# Altium PCB AL1000.PcbDoc (part 3 of 8)
Units mil, origin at the board's own origin, x right, y up, seen from the top; angles counter-clockwise.
Board outline 8277.75 x 4143.89 mil, 4 copper layers (Component Side, Ground Plane, Power Plane, Solder Side), stack 33.234 mil thick; 485 components, 360 nets, 1548 pads, 394 vias.
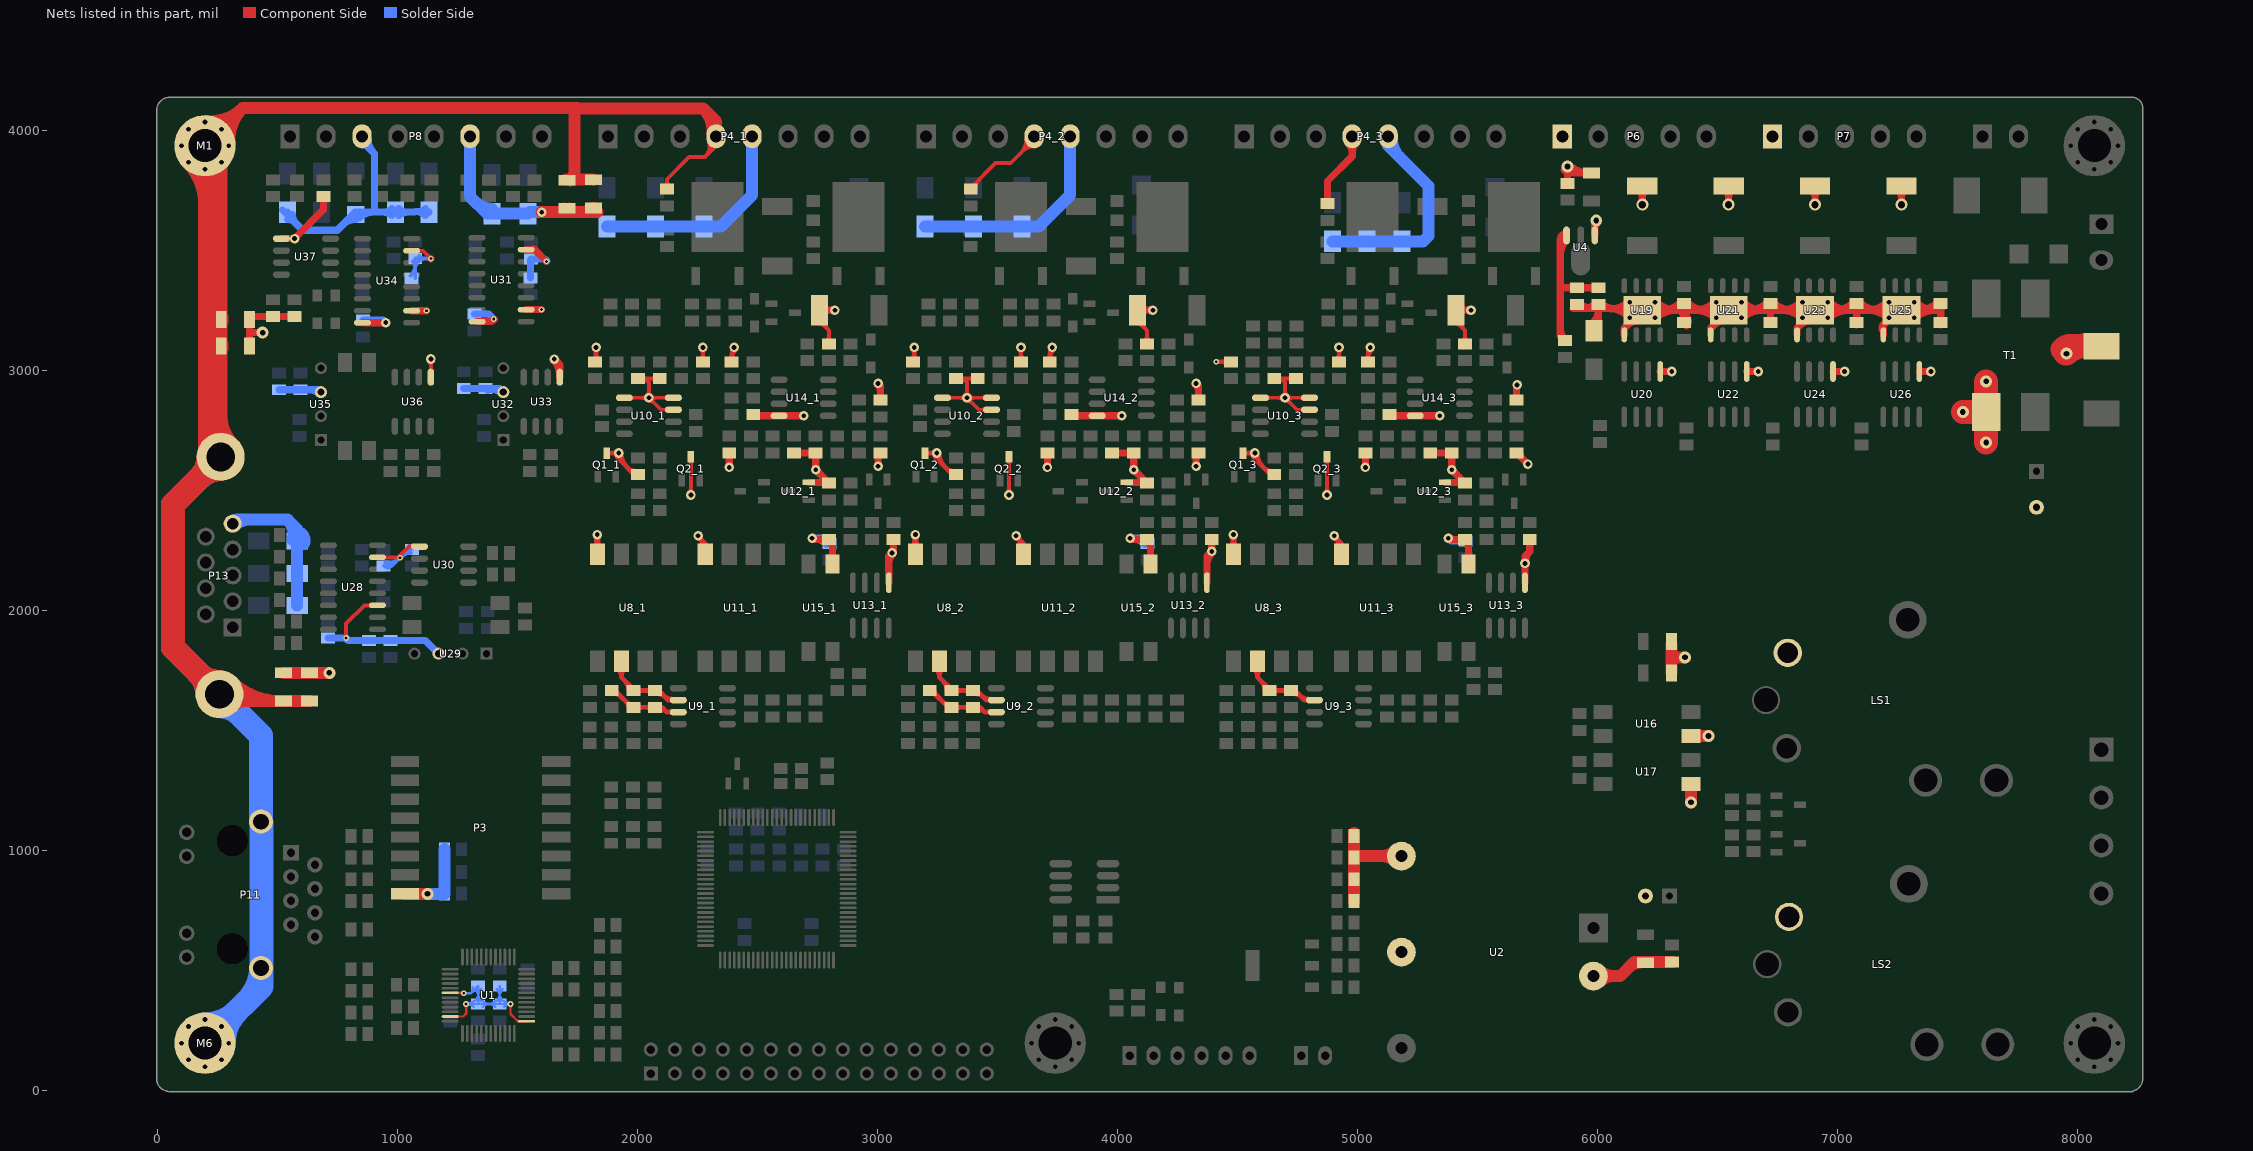
[diagram p5: the nets of this part, all layers, seen from the top]

## Via types
v1: diameter 24, hole 12, Component Side to Solder Side, tented both sides, 224 vias
v2: diameter 40, hole 20, Component Side to Solder Side, tented both sides, 140 vias
v3: diameter 50, hole 24, Component Side to Solder Side, tented both sides, 16 vias
v4: diameter 50, hole 28, Component Side to Solder Side, tented both sides, 10 vias
v5: diameter 50, hole 30, Component Side to Solder Side, tented both sides, 4 vias

## Nets (pads, with @x,y where several pads share a name; then routed paths per layer and width w, separated by ;. In a path a pad name is that pad's centre, name@x,y a point inside that pad or via, vN(x,y) a via of type N, cw(c..) or ccw(c..) an arc to the next point about the centre after c; other vN are vias at no path point) (continued)
GND24V: C10.2 C11.2 C15.1 C16.1 C21.1 C22.1 C23.1 C24.1 C36_1.1 C36_2.1 C36_3.1 C41_1.1 C41_2.1 C41_3.1 C45_1.1 C45_2.1 C45_3.1 C47_1.1 C47_2.1 C47_3.1 C49_1.1 C49_2.1 C49_3.1 C50_1.1 C50_2.1 C50_3.1 C51_1.1 C51_2.1 C51_3.1 C52_1.1 C52_2.1 C52_3.1 C53_1.1 C53_2.1 C53_3.1 C54_1.1 C54_2.1 C54_3.1 C55_1.1 C55_2.1 C55_3.1 C58.2 C59.1 C60.1 C61.1 C62.1 C67.1 C68.1 C69.1 C70.1 C81.2 C91.2 C98.2 D3.2 D8_1.1 D8_2.1 D8_3.1 D9_1.1 D9_2.1 D9_3.1 D10_1.1 D10_2.1 D10_3.1 D31.1 LS1.5 LS2.5 M1.1 M1.2 M1.3 M1.4 M1.5 M1.6 M1.7 M1.8 M1.9 M6.1 M6.2 M6.3 M6.4 M6.5 M6.6 M6.7 M6.8 M6.9 P4_1.4 P4_1.5 P4_2.4 P4_2.5 P4_3.4 P4_3.5 P6.1 P7.1 P11.13 P11.14 P13.10 P13.11 Q1_1.3 Q1_2.3 Q1_3.3 Q2_1.3 Q2_2.3 Q2_3.3 R24.2 R38_1.1 R38_2.1 R38_3.1 R43_1.1 R43_2.1 R43_3.1 R53_1.2 R53_2.2 R53_3.2 R54_1.2 R54_2.2 R54_3.2 R60_1.2 R60_2.2 R60_3.2 R61_1.2 R61_2.2 R61_3.2 R62_1.1 R62_2.1 R62_3.1 R66_1.2 R66_2.2 R66_3.2 R82.2 R83.2 R84.2 R85.2 R93.2 R98.2 R103.2 T1.1 U2.2 U4.1 U8_1.4 U8_2.4 U8_3.4 U10_1.3 U10_1.4 U10_1.5 U10_2.3 U10_2.4 U10_2.5 U10_3.3 U10_3.4 U10_3.5 U11_1.4 U11_2.4 U11_3.4 U12_1.2 U12_2.2 U12_3.2 U13_1.5 U13_2.5 U13_3.5 U14_1.4 U14_2.4 U14_3.4 U15_1.3 U15_2.3 U15_3.3 U16.3 U17.3 U19.0 U19.1 U20.5 U21.0 U21.1 U22.5 U23.0 U23.1 U24.5 U25.0 U25.1 U26.5 | length 44231.6
  Component Side w16: U8_1.4@1815.16,2264.25 ccw(c1775.05,2304.36) 1831.77,2304.36 ccw(c1888.5,2304.36) U8_1.4@1848.39,2264.25 ; v2@1821.49,2310.19 cw(c1789.4,2290.9) 1825.57,2281.21 ; v2@1823.29,2307.89 cw(c1802.8,2287.41) 1831.77,2287.41 cw(c1860.74,2287.41) v2@1840.26,2307.89 ; v2@1825.77,2305.99 cw(c1816.6,2290.09) 1834.32,2294.84 ; 1829.22,2294.84 cw(c1846.95,2290.09) v2@1837.77,2305.99 ; U8_1.4@1831.77,2233.86 v2(1831.77,2316.38) ; 1837.98,2281.21 cw(c1874.15,2290.9) v2@1842.06,2310.19 ; U10_1.5@1929.41,2886.42 1929.45,2886.38 U10_1.5@1944.41,2886.38 v2(2046.77,2886.38) ; U10_1.5@1970.15,2882.29 cw(c1980.02,2872.43) 1980.02,2886.38 cw(c1980.02,2900.33) U10_1.5@1970.15,2890.46 ; R38_1.1@2007.21,2967.34 cw(c2018.77,2950.56) 2033.18,2964.97 ; R38_1.1@2016.29,2954.16 cw(c2029.86,2934.47) 2046.77,2951.38 ; R38_1.1@2018.36,2955.89 cw(c2043.69,2930.56) 2043.69,2966.38 cw(c2043.69,3002.19) R38_1.1@2018.36,2976.87 ; R38_1.1@2021.17,2959.8 cw(c2031.77,2954.55) 2031.77,2966.38 ; R38_1.1@2021.17,2972.96 ccw(c2031.77,2978.21) 2031.77,2966.38 ; v2@2038.29,2877.89 ccw(c2017.8,2857.41) 2017.8,2886.38 ccw(c2017.8,2915.35) 2038.29,2894.86 ccw(c2017.8,2915.35) 2046.77,2915.35 ccw(c2075.74,2915.35) 2055.26,2894.86 ccw(c2075.74,2915.35) 2075.74,2886.38 ccw(c2075.74,2857.41) v2@2055.26,2877.89 ; v2@2046.77,2874.38 cw(c2046.77,2845.41) 2067.26,2865.89 cw(c2087.74,2886.38) v2@2058.77,2886.38 ; R43_1.1@2075.18,2955.89 ccw(c2049.86,2930.56) 2049.86,2966.38 ccw(c2049.86,3002.19) R43_1.1@2075.18,2976.87 ; R43_1.1@2091.77,2966.38 2031.77,2966.38 ; R66_1.2@2111.97,3766.95 ccw(c2086.64,3792.27) 2122.46,3792.27 ccw(c2158.27,3792.27) R66_1.2@2132.95,3766.95 ; R66_1.2@2122.46,3761.42 2122.46,3797.46 2214.61,3889.61 2280,3889.61 ; U10_1.3@2123.39,2832.29 ccw(c2113.53,2822.43) 2113.53,2836.38 ccw(c2113.53,2850.33) U10_1.3@2123.39,2840.46 ; U10_1.4@2123.39,2882.29 ccw(c2113.53,2872.43) 2113.53,2886.38 ccw(c2113.53,2900.33) U10_1.4@2123.39,2890.46 ; U10_1.3@2149.13,2836.38 2096.77,2836.38 v2(2046.77,2886.38) ; U10_1.4@2149.13,2886.38 v2(2046.77,2886.38) ; v2@2213.29,2489.86 ccw(c2192.8,2510.35) 2221.77,2510.35 ccw(c2250.74,2510.35) v2@2230.26,2489.86 ; Q2_1.3@2217.69,2625.72 cw(c2207.82,2615.85) 2221.77,2615.85 cw(c2235.72,2615.85) Q2_1.3@2225.86,2625.72 ; v2(2221.77,2481.38) Q2_1.3@2221.77,2640.63 ; v2@2248.63,2299.79 cw(c2236,2252.67) U11_1.4@2278.25,2277.06 ; v2@2250.24,2299.47 cw(c2247.98,2281.34) 2263.8,2290.48 cw(c2279.62,2299.61) v2@2262.79,2306.71 ; v2@2251.73,2299.38 cw(c2251.73,2270.41) 2272.22,2290.89 cw(c2292.7,2311.38) v2@2263.73,2311.38 ; v2@2254,2299.59 cw(c2256.74,2285.39) 2269.26,2292.62 ; U11_1.4@2260.66,2257.95 ccw(c2218.77,2278.41) v2(2251.73,2311.38) 2281.77,2281.34 ; C45_1.1@2261.28,3046.95 ccw(c2235.96,3072.27) 2271.77,3072.27 ccw(c2307.59,3072.27) C45_1.1@2282.26,3046.95 ; v2@2263.29,3087.89 cw(c2242.8,3067.41) 2271.77,3067.41 cw(c2300.74,3067.41) v2@2280.26,3087.89 ; 2267.59,2295.52 cw(c2240.07,2268.01) U11_1.4@2275.04,2250.93 ; v2(2271.77,3096.38) C45_1.1@2271.77,3036.46 C45_1.1@2276.73,3041.42 ; U11_1.4@2273.65,2269.68 ccw(c2269.35,2281.34) 2281.77,2281.34 ; U11_1.4@2281.77,2233.86 2281.77,2281.34 ; 2283.44,2279.67 cw(c2261.37,2257.6) U11_1.4@2289.41,2243.91 ; U11_1.4@2289.9,2269.68 cw(c2294.19,2281.34) 2281.77,2281.34 ; P4_1.4@2296.29,3956.65 cw(c2233.12,3936.5) 2280,3889.61 ; 2298.57,3908.18 ccw(c2261.28,3945.48) P4_1.4@2311.53,3961.51 ; 2317.15,3926.75 ccw(c2289.44,3954.47) P4_1.4@2326.77,3966.38 ; P4_1.4@2326.77,3976.38 2326.77,3936.38 2280,3889.61 ; C53_1.1@2381.28,3046.91 ccw(c2355.96,3072.23) 2391.77,3072.23 ccw(c2427.59,3072.23) C53_1.1@2402.26,3046.91 ; C53_1.1@2391.77,3036.42 2391.77,3086.38 v2(2401.77,3096.38) ; C53_1.1@2391.77,3043.27 cw(c2454.88,3043.27) v2@2410.26,3087.89 ; R62_1.1@2758.31,3196.43 cw(c2758.31,3176.1) R62_1.1@2772.68,3190.47 ; R62_1.1@2769.23,3220.49 ccw(c2802.93,3210.09) 2777.99,3185.16 ; R62_1.1@2778.29,3232.62 cw(c2821.77,3191.73) v2(2821.77,3251.42) ; R62_1.1@2778.29,3270.21 ccw(c2821.77,3311.11) v2(2821.77,3251.42) ; R62_1.1@2784.52,3215.77 ccw(c2831.63,3201.24) 2796.77,3166.38 ; C47_1.1@2786.28,3121.91 ccw(c2760.96,3147.23) 2796.77,3147.23 ccw(c2832.59,3147.23) C47_1.1@2807.26,3121.91 ; C47_1.1@2791.77,3096.42 C47_1.1@2791.77,3111.42 ; C47_1.1@2796.77,3111.42 2796.77,3166.38 ; v2@2811.38,3245.42 ccw(c2786.29,3230.93) 2793.79,3258.91 ccw(c2801.29,3286.9) v2@2815.77,3261.81 ; v2@2811.38,3257.42 cw(c2786.29,3271.9) 2793.79,3243.92 cw(c2801.29,3215.93) v2@2815.77,3241.03 ; v2@2813.29,3242.93 ccw(c2792.8,3222.45) 2792.8,3251.42 ccw(c2792.8,3280.39) v2@2813.29,3259.9 ; U8_2.4@3140.75,2264.25 ccw(c3100.64,2304.36) 3157.36,2304.36 ccw(c3214.09,2304.36) U8_2.4@3173.98,2264.25 ; v2@3147.08,2310.19 cw(c3114.99,2290.9) 3151.16,2281.21 ; v2@3148.88,2307.89 cw(c3128.39,2287.41) 3157.36,2287.41 cw(c3186.33,2287.41) v2@3165.85,2307.89 ; v2@3151.36,2305.99 cw(c3142.19,2290.09) 3159.91,2294.84 ; 3154.81,2294.84 cw(c3172.54,2290.09) v2@3163.36,2305.99 ; U8_2.4@3157.36,2233.86 v2(3157.36,2316.38) ; 3163.57,2281.21 cw(c3199.74,2290.9) v2@3167.65,2310.19 ; U10_2.5@3255,2886.42 3255.04,2886.38 U10_2.5@3270,2886.38 v2(3372.36,2886.38) ; U10_2.5@3295.74,2882.29 cw(c3305.61,2872.43) 3305.61,2886.38 cw(c3305.61,2900.33) U10_2.5@3295.74,2890.46 ; R38_2.1@3332.8,2967.34 cw(c3344.36,2950.56) 3358.77,2964.97 ; R38_2.1@3341.88,2954.16 cw(c3355.45,2934.47) 3372.36,2951.38 ; R38_2.1@3343.95,2955.89 cw(c3369.28,2930.56) 3369.28,2966.38 cw(c3369.28,3002.19) R38_2.1@3343.95,2976.87 ; R38_2.1@3346.76,2959.8 cw(c3357.36,2954.55) 3357.36,2966.38 ; R38_2.1@3346.76,2972.96 ccw(c3357.36,2978.21) 3357.36,2966.38 ; v2@3363.88,2877.89 ccw(c3343.39,2857.41) 3343.39,2886.38 ccw(c3343.39,2915.35) 3363.88,2894.86 ccw(c3343.39,2915.35) 3372.36,2915.35 ccw(c3401.33,2915.35) 3380.85,2894.86 ccw(c3401.33,2915.35) 3401.33,2886.38 ccw(c3401.33,2857.41) v2@3380.85,2877.89 ; v2@3372.36,2874.38 cw(c3372.36,2845.41) 3392.85,2865.89 cw(c3413.33,2886.38) v2@3384.36,2886.38 ; R66_2.2@3388.05,3761.42 3491.63,3865 3555,3865 3652.36,3962.36 P4_2.4@3652.36,3976.38 ; R43_2.1@3400.77,2955.89 ccw(c3375.45,2930.56) 3375.45,2966.38 ccw(c3375.45,3002.19) R43_2.1@3400.77,2976.87 ; R66_2.2@3408.98,3756.46 cw(c3471.51,3756.46) 3427.3,3800.67 ; R43_2.1@3417.36,2966.38 3357.36,2966.38 ; U10_2.3@3448.98,2832.29 ccw(c3439.12,2822.43) 3439.12,2836.38 ccw(c3439.12,2850.33) U10_2.3@3448.98,2840.46 ; U10_2.4@3448.98,2882.29 ccw(c3439.12,2872.43) 3439.12,2886.38 ccw(c3439.12,2900.33) U10_2.4@3448.98,2890.46 ; U10_2.3@3474.72,2836.38 3422.36,2836.38 v2(3372.36,2886.38) ; U10_2.4@3474.72,2886.38 v2(3372.36,2886.38) ; v2@3538.88,2489.86 ccw(c3518.39,2510.35) 3547.36,2510.35 ccw(c3576.33,2510.35) v2@3555.85,2489.86 ; Q2_2.3@3543.28,2625.72 cw(c3533.41,2615.85) 3547.36,2615.85 cw(c3561.32,2615.85) Q2_2.3@3551.45,2625.72 ; v2(3547.36,2481.38) Q2_2.3@3547.36,2640.63 ; v2@3574.22,2299.79 cw(c3561.59,2252.67) U11_2.4@3603.84,2277.06 ; v2@3575.83,2299.47 cw(c3573.57,2281.34) 3589.39,2290.48 cw(c3605.21,2299.61) v2@3588.38,2306.71 ; v2@3577.32,2299.38 cw(c3577.32,2270.41) 3597.81,2290.89 cw(c3618.29,2311.38) v2@3589.32,2311.38 ; v2@3579.59,2299.59 cw(c3582.33,2285.39) 3594.85,2292.62 ; U11_2.4@3586.25,2257.95 ccw(c3544.36,2278.41) v2(3577.32,2311.38) 3607.36,2281.34 ; C45_2.1@3586.87,3046.95 ccw(c3561.55,3072.27) 3597.36,3072.27 ccw(c3633.18,3072.27) C45_2.1@3607.85,3046.95 ; v2@3588.88,3087.89 cw(c3568.39,3067.41) 3597.36,3067.41 cw(c3626.33,3067.41) v2@3605.85,3087.89 ; 3593.18,2295.52 cw(c3565.66,2268.01) U11_2.4@3600.63,2250.93 ; 3594.9,3904.9 ccw(c3533.41,3966.38) P4_2.4@3620.36,3966.38 ; v2(3597.36,3096.38) C45_2.1@3597.36,3036.46 C45_2.1@3602.32,3041.42 ; U11_2.4@3599.24,2269.68 ccw(c3594.94,2281.34) 3607.36,2281.34 ; 3604.59,3914.59 cw(c3652.36,3866.82) P4_2.4@3652.36,3934.38 ; U11_2.4@3607.36,2233.86 3607.36,2281.34 ; 3609.03,2279.67 cw(c3586.96,2257.6) U11_2.4@3615,2243.91 ; U11_2.4@3615.49,2269.68 cw(c3619.78,2281.34) 3607.36,2281.34 ; 3622.21,3932.21 ccw(c3588.04,3966.38) P4_2.4@3636.36,3966.38 ; C53_2.1@3706.87,3046.91 ccw(c3681.55,3072.23) 3717.36,3072.23 ccw(c3753.18,3072.23) C53_2.1@3727.85,3046.91 ; C53_2.1@3717.36,3036.42 3717.36,3086.38 v2(3727.36,3096.38) ; C53_2.1@3717.36,3043.27 cw(c3780.47,3043.27) v2@3735.85,3087.89 ; R62_2.1@4083.9,3196.43 cw(c4083.9,3176.1) R62_2.1@4098.27,3190.47 ; R62_2.1@4094.82,3220.49 ccw(c4128.52,3210.09) 4103.58,3185.16 ; R62_2.1@4103.88,3232.62 cw(c4147.36,3191.73) v2(4147.36,3251.42) ; R62_2.1@4103.88,3270.21 ccw(c4147.36,3311.11) v2(4147.36,3251.42) ; R62_2.1@4110.11,3215.77 ccw(c4157.22,3201.24) 4122.36,3166.38 ; C47_2.1@4111.87,3121.91 ccw(c4086.55,3147.23) 4122.36,3147.23 ccw(c4158.18,3147.23) C47_2.1@4132.85,3121.91 ; C47_2.1@4117.36,3096.42 C47_2.1@4117.36,3111.42 ; C47_2.1@4122.36,3111.42 4122.36,3166.38 ; v2@4136.97,3245.42 ccw(c4111.88,3230.93) 4119.38,3258.91 ccw(c4126.88,3286.9) v2@4141.36,3261.81 ; v2@4136.97,3257.42 cw(c4111.88,3271.9) 4119.38,3243.92 cw(c4126.88,3215.93) v2@4141.36,3241.03 ; v2@4138.88,3242.93 ccw(c4118.39,3222.45) 4118.39,3251.42 ccw(c4118.39,3280.39) v2@4138.88,3259.9 ; U8_3.4@4466.34,2264.25 ccw(c4426.23,2304.36) 4482.95,2304.36 ccw(c4539.68,2304.36) U8_3.4@4499.57,2264.25 ; v2@4472.67,2310.19 cw(c4440.58,2290.9) 4476.75,2281.21 ; v2@4474.47,2307.89 cw(c4453.98,2287.41) 4482.95,2287.41 cw(c4511.92,2287.41) v2@4491.44,2307.89 ; v2@4476.95,2305.99 cw(c4467.78,2290.09) 4485.5,2294.84 ; 4480.4,2294.84 cw(c4498.13,2290.09) v2@4488.95,2305.99 ; U8_3.4@4482.95,2233.86 v2(4482.95,2316.38) ; 4489.16,2281.21 cw(c4525.33,2290.9) v2@4493.24,2310.19 ; U10_3.5@4580.59,2886.42 4580.63,2886.38 U10_3.5@4595.59,2886.38 v2(4697.95,2886.38) ; U10_3.5@4621.33,2882.29 cw(c4631.2,2872.43) 4631.2,2886.38 cw(c4631.2,2900.33) U10_3.5@4621.33,2890.46 ; R38_3.1@4658.39,2967.34 cw(c4669.96,2950.56) 4684.36,2964.97 ; R38_3.1@4667.47,2954.16 cw(c4681.04,2934.47) 4697.95,2951.38 ; R38_3.1@4669.54,2955.89 cw(c4694.87,2930.56) 4694.87,2966.38 cw(c4694.87,3002.19) R38_3.1@4669.54,2976.87 ; R38_3.1@4672.35,2959.8 cw(c4682.95,2954.55) 4682.95,2966.38 ; R38_3.1@4672.35,2972.96 ccw(c4682.95,2978.21) 4682.95,2966.38 ; v2@4689.47,2877.89 ccw(c4668.98,2857.41) 4668.98,2886.38 ccw(c4668.98,2915.35) 4689.47,2894.86 ccw(c4668.98,2915.35) 4697.95,2915.35 ccw(c4726.92,2915.35) 4706.44,2894.86 ccw(c4726.92,2915.35) 4726.92,2886.38 ccw(c4726.92,2857.41) v2@4706.44,2877.89 ; v2@4697.95,2874.38 cw(c4697.95,2845.41) 4718.44,2865.89 cw(c4738.92,2886.38) v2@4709.95,2886.38 ; R43_3.1@4726.36,2955.89 ccw(c4701.04,2930.56) 4701.04,2966.38 ccw(c4701.04,3002.19) R43_3.1@4726.36,2976.87 ; R43_3.1@4742.95,2966.38 4682.95,2966.38 ; U10_3.3@4774.57,2832.29 ccw(c4764.71,2822.43) 4764.71,2836.38 ccw(c4764.71,2850.33) U10_3.3@4774.57,2840.46 ; U10_3.4@4774.57,2882.29 ccw(c4764.71,2872.43) 4764.71,2886.38 ccw(c4764.71,2900.33) U10_3.4@4774.57,2890.46 ; U10_3.3@4800.32,2836.38 4747.95,2836.38 v2(4697.95,2886.38) ; U10_3.4@4800.32,2886.38 v2(4697.95,2886.38) ; v2@4864.47,2489.86 ccw(c4843.98,2510.35) 4872.95,2510.35 ccw(c4901.92,2510.35) v2@4881.44,2489.86 ; Q2_3.3@4868.87,2625.72 cw(c4859,2615.85) 4872.95,2615.85 cw(c4886.91,2615.85) Q2_3.3@4877.04,2625.72 ; v2(4872.95,2481.38) Q2_3.3@4872.95,2640.63 ; v2@4899.81,2299.79 cw(c4887.18,2252.67) U11_3.4@4929.43,2277.06 ; v2@4901.43,2299.47 cw(c4899.16,2281.34) 4914.98,2290.48 cw(c4930.8,2299.61) v2@4913.97,2306.71 ; v2@4902.91,2299.38 cw(c4902.91,2270.41) 4923.4,2290.89 cw(c4943.88,2311.38) v2@4914.91,2311.38 ; v2@4905.18,2299.59 cw(c4907.92,2285.39) 4920.44,2292.62 ; U11_3.4@4911.84,2257.95 ccw(c4869.95,2278.41) v2(4902.91,2311.38) 4932.95,2281.34 ; C45_3.1@4912.46,3046.95 ccw(c4887.14,3072.27) 4922.95,3072.27 ccw(c4958.77,3072.27) C45_3.1@4933.44,3046.95 ; v2@4914.47,3087.89 cw(c4893.98,3067.41) 4922.95,3067.41 cw(c4951.92,3067.41) v2@4931.44,3087.89 ; 4918.77,2295.52 cw(c4891.25,2268.01) U11_3.4@4926.22,2250.93 ; v2(4922.95,3096.38) C45_3.1@4922.95,3036.46 C45_3.1@4927.91,3041.42 ; U11_3.4@4924.83,2269.68 ccw(c4920.53,2281.34) 4932.95,2281.34 ; U11_3.4@4932.95,2233.86 4932.95,2281.34 ; 4934.62,2279.67 cw(c4912.55,2257.6) U11_3.4@4940.59,2243.91 ; U11_3.4@4941.08,2269.68 cw(c4945.37,2281.34) 4932.95,2281.34 ; C53_3.1@5032.46,3046.91 ccw(c5007.14,3072.23) 5042.95,3072.23 ccw(c5078.77,3072.23) C53_3.1@5053.44,3046.91 ; C53_3.1@5042.95,3036.42 5042.95,3086.38 v2(5052.95,3096.38) ; C53_3.1@5042.95,3043.27 cw(c5106.07,3043.27) v2@5061.44,3087.89 ; R62_3.1@5409.49,3196.43 cw(c5409.49,3176.1) R62_3.1@5423.86,3190.47 ; R62_3.1@5420.41,3220.49 ccw(c5454.11,3210.09) 5429.18,3185.16 ; R62_3.1@5429.47,3232.62 cw(c5472.95,3191.73) v2(5472.95,3251.42) ; R62_3.1@5429.47,3270.21 ccw(c5472.95,3311.11) v2(5472.95,3251.42) ; R62_3.1@5435.7,3215.77 ccw(c5482.81,3201.24) 5447.95,3166.38 ; C47_3.1@5437.46,3121.91 ccw(c5412.14,3147.23) 5447.95,3147.23 ccw(c5483.77,3147.23) C47_3.1@5458.44,3121.91 ; C47_3.1@5442.95,3096.42 C47_3.1@5442.95,3111.42 ; C47_3.1@5447.95,3111.42 5447.95,3166.38 ; v2@5462.56,3245.42 ccw(c5437.47,3230.93) 5444.97,3258.91 ccw(c5452.47,3286.9) v2@5466.95,3261.81 ; v2@5462.56,3257.42 cw(c5437.47,3271.9) 5444.97,3243.92 cw(c5452.47,3215.93) v2@5466.95,3241.03 ; v2@5464.47,3242.93 ccw(c5443.98,3222.45) 5443.98,3251.42 ccw(c5443.98,3280.39) v2@5464.47,3259.9 ; 2031.77,2966.38 2046.77,2951.38 ; v2(2046.77,2886.38) 2046.77,2951.38 ; 2796.77,3166.38 2758.31,3204.84 R62_1.1@2758.31,3251.42 v2(2821.77,3251.42) ; 3357.36,2966.38 3372.36,2951.38 ; v2(3372.36,2886.38) 3372.36,2951.38 ; 4122.36,3166.38 4083.9,3204.84 R62_2.1@4083.9,3251.42 v2(4147.36,3251.42) ; 4682.95,2966.38 4697.95,2951.38 ; v2(4697.95,2886.38) 4697.95,2951.38 ; 5447.95,3166.38 5409.49,3204.84 R62_3.1@5409.49,3251.42 v2(5472.95,3251.42)
  Component Side w20: C41_1.1@1818.8,3045.53 ccw(c1799.55,3064.78) 1826.77,3064.78 ; v2@1819.7,3089.31 cw(c1802.63,3072.24) 1826.77,3072.24 cw(c1850.91,3072.24) v2@1833.84,3089.31 ; C41_1.1@1821.77,3036.46 1826.77,3041.46 v2(1826.77,3096.38) ; 1826.77,3070.1 ccw(c1861.52,3070.1) C41_1.1@1836.95,3045.53 ; Q1_1.3@1871.77,2655.59 1920.28,2655.59 v2(1921.06,2656.38) 1921.06,2632.09 1986.77,2566.38 C36_1.1@2001.77,2566.38 ; 1895.02,2655.59 ccw(c1895.02,2682.42) v2@1913.99,2663.45 ; 1898.82,2655.59 cw(c1898.82,2634.14) 1913.99,2649.31 cw(c1896.92,2632.24) 1921.06,2632.24 cw(c1945.21,2632.24) v2@1928.13,2649.31 ; v2@1911.06,2656.38 ccw(c1945.57,2656.38) 1921.17,2631.98 ; v2@1931.06,2656.38 ccw(c2013.85,2656.38) 1955.31,2597.84 ; 1958.57,2594.58 ccw(c1995.67,2631.68) C36_1.1@1995.67,2579.21 ; C41_2.1@3144.39,3045.53 ccw(c3125.14,3064.78) 3152.36,3064.78 ; v2@3145.29,3089.31 cw(c3128.22,3072.24) 3152.36,3072.24 cw(c3176.5,3072.24) v2@3159.43,3089.31 ; C41_2.1@3147.36,3036.46 3152.36,3041.46 v2(3152.36,3096.38) ; 3152.36,3070.1 ccw(c3187.11,3070.1) C41_2.1@3162.54,3045.53 ; Q1_2.3@3197.36,2655.59 3245.87,2655.59 v2(3246.65,2656.38) 3246.65,2632.09 3312.36,2566.38 C36_2.1@3327.36,2566.38 ; 3220.61,2655.59 ccw(c3220.61,2682.42) v2@3239.58,2663.45 ; 3224.41,2655.59 cw(c3224.41,2634.14) 3239.58,2649.31 cw(c3222.51,2632.24) 3246.65,2632.24 cw(c3270.8,2632.24) v2@3253.72,2649.31 ; v2@3236.65,2656.38 ccw(c3271.16,2656.38) 3246.76,2631.98 ; v2@3256.65,2656.38 ccw(c3339.44,2656.38) 3280.9,2597.84 ; 3284.16,2594.58 ccw(c3321.26,2631.68) C36_2.1@3321.26,2579.21 ; v1@4410,3035 v1(4411.46,3036.46) C41_3.1@4472.95,3036.46 C41_3.1@4477.95,3041.46 ; C41_3.1@4457.78,3027.38 ccw(c4435.86,3005.47) 4435.86,3036.46 ccw(c4435.86,3067.44) C41_3.1@4457.78,3045.53 ; Q1_3.3@4522.95,2655.59 4571.46,2655.59 v2(4572.24,2656.38) 4572.24,2632.09 4637.95,2566.38 C36_3.1@4652.95,2566.38 ; 4546.2,2655.59 ccw(c4546.2,2682.42) v2@4565.17,2663.45 ; 4550,2655.59 cw(c4550,2634.14) 4565.17,2649.31 cw(c4548.1,2632.24) 4572.24,2632.24 cw(c4596.39,2632.24) v2@4579.32,2649.31 ; v2@4562.24,2656.38 ccw(c4596.75,2656.38) 4572.35,2631.98 ; v2@4582.24,2656.38 ccw(c4665.03,2656.38) 4606.49,2597.84 ; 4609.75,2594.58 ccw(c4646.85,2631.68) C36_3.1@4646.85,2579.21
  Component Side w30: v2(2381.77,2596.38) C52_1.1@2381.77,2656.34 ; R53_1.2@2481.77,2816.38 2486.77,2811.38 U14_1.4@2589.41,2811.38 v2(2691.77,2811.38) ; R53_1.2@2493.41,2821.92 ccw(c2518.86,2847.36) 2518.86,2811.38 ; C51_1.1@2651.77,2656.34 C55_1.1@2741.77,2656.34 v2(2741.77,2586.42) C50_1.1@2794.41,2533.78 ; U12_1.2@2713.11,2533.78 C50_1.1@2794.41,2533.78 ; v2(2726.77,2301.38) 2731.81,2296.34 R54_1.2@2796.77,2296.34 2811.77,2281.34 U15_1.3@2811.77,2194.49 ; v2@2730.31,2304.91 ccw(c2751.01,2325.62) 2751.01,2296.34 ; 2766.05,2533.78 cw(c2766.05,2506.8) C50_1.1@2785.13,2525.88 ; 2772.98,2555.21 cw(c2749.19,2531.42) C50_1.1@2782.83,2531.42 ; C50_1.1@2796.77,2531.42 C50_1.1@2794.41,2533.78 ; R54_1.2@2797.33,2290.8 cw(c2762.48,2255.94) 2811.77,2255.94 ; U15_1.3@2801.5,2214.6 ccw(c2776.7,2239.4) 2811.77,2239.4 ccw(c2846.84,2239.4) U15_1.3@2822.04,2214.6 ; v2@2998.24,2942.84 cw(c2965.56,2910.16) 3011.77,2910.16 ; v2(3001.77,2601.38) 3001.77,2646.34 C54_1.1@3011.77,2656.34 ; 3001.77,2628.01 cw(c3033.99,2628.01) C54_1.1@3011.21,2650.8 ; v2(3001.77,2946.38) 3011.77,2936.38 R60_1.2@3011.77,2876.42 ; U13_1.5@3046.77,2115.91 3046.77,2226.38 v2(3060.39,2240) 3066.77,2246.38 R61_1.2@3066.77,2296.34 ; 3046.77,2195.04 cw(c3105.35,2195.04) v2@3063.93,2236.46 ; v2@3056.86,2243.54 ccw(c3032.92,2267.47) 3066.77,2267.47 ; v2(3707.36,2596.38) C52_2.1@3707.36,2656.34 ; R53_2.2@3807.36,2816.38 3812.36,2811.38 U14_2.4@3915,2811.38 v2(4017.36,2811.38) ; R53_2.2@3819,2821.92 ccw(c3844.45,2847.36) 3844.45,2811.38 ; C51_2.1@3977.36,2656.34 C55_2.1@4067.36,2656.34 v2(4067.36,2586.42) C50_2.1@4120,2533.78 ; U12_2.2@4038.7,2533.78 C50_2.1@4120,2533.78 ; v2(4052.36,2301.38) 4057.4,2296.34 R54_2.2@4122.36,2296.34 4137.36,2281.34 U15_2.3@4137.36,2194.49 ; v2@4055.9,2304.91 ccw(c4076.6,2325.62) 4076.6,2296.34 ; 4091.64,2533.78 cw(c4091.64,2506.8) C50_2.1@4110.72,2525.88 ; 4098.57,2555.21 cw(c4074.78,2531.42) C50_2.1@4108.43,2531.42 ; C50_2.1@4122.36,2531.42 C50_2.1@4120,2533.78 ; R54_2.2@4122.92,2290.8 cw(c4088.07,2255.94) 4137.36,2255.94 ; U15_2.3@4127.09,2214.6 ccw(c4102.29,2239.4) 4137.36,2239.4 ccw(c4172.43,2239.4) U15_2.3@4147.63,2214.6 ; v2@4323.83,2942.84 cw(c4291.15,2910.16) 4337.36,2910.16 ; v2(4327.36,2601.38) 4327.36,2646.34 C54_2.1@4337.36,2656.34 ; 4327.36,2628.01 cw(c4359.58,2628.01) C54_2.1@4336.8,2650.8 ; v2(4327.36,2946.38) 4337.36,2936.38 R60_2.2@4337.36,2876.42 ; U13_2.5@4372.36,2115.91 4372.36,2226.38 v2(4392.36,2246.38) R61_2.2@4392.36,2296.34 ; 4372.36,2186.02 cw(c4452.72,2186.02) v2@4395.9,2242.84 ; 4372.36,2218.09 cw(c4395.86,2218.09) v2@4392.98,2241.42 ; R66_3.2@4875,3696.04 4875,3790 4977.95,3892.95 P4_3.4@4977.95,3976.38 ; P4_3.4@4960.28,3948.7 cw(c4917.6,3906.02) 4977.95,3906.02 cw(c5038.31,3906.02) P4_3.4@4995.63,3948.7 ; v2(5032.95,2596.38) C52_3.1@5032.95,2656.34 ; R53_3.2@5132.95,2816.38 5137.95,2811.38 U14_3.4@5240.59,2811.38 v2(5342.95,2811.38) ; R53_3.2@5144.6,2821.92 ccw(c5170.04,2847.36) 5170.04,2811.38 ; C51_3.1@5302.95,2656.34 C55_3.1@5392.95,2656.34 v2(5392.95,2586.42) C50_3.1@5445.59,2533.78 ; U12_3.2@5364.29,2533.78 C50_3.1@5445.59,2533.78 ; v2(5377.95,2301.38) 5382.99,2296.34 R54_3.2@5447.95,2296.34 5462.95,2281.34 U15_3.3@5462.95,2194.49 ; v2@5381.49,2304.91 ccw(c5402.19,2325.62) 5402.19,2296.34 ; 5417.23,2533.78 cw(c5417.23,2506.8) C50_3.1@5436.31,2525.88 ; 5424.16,2555.21 cw(c5400.37,2531.42) C50_3.1@5434.02,2531.42 ; C50_3.1@5447.95,2531.42 C50_3.1@5445.59,2533.78 ; R54_3.2@5448.52,2290.8 cw(c5413.66,2255.94) 5462.95,2255.94 ; U15_3.3@5452.68,2214.6 ccw(c5427.88,2239.4) 5462.95,2239.4 ccw(c5498.03,2239.4) U15_3.3@5473.23,2214.6 ; C54_3.1@5662.95,2656.34 5663.66,2656.34 v2(5710,2610) ; R60_3.2@5662.95,2876.42 v2@5662.95,2927.05 ; C54_3.1@5676.89,2656.34 ccw(c5708.83,2656.34) C54_3.1@5686.24,2633.76 ; U13_3.5@5697.95,2115.91 v2(5697.95,2196.38) 5697.95,2226.38 5717.95,2246.38 ; v2@5702.86,2197.32 cw(c5756.73,2207.6) 5717.95,2246.38 ; R61_3.2@5717.95,2296.34 5717.95,2246.38 ; v3@5860.86,3835.86 ccw(c5890.3,3865.3) 5890.3,3823.66 ; C23.1@5875,3780.04 v3(5875,3850) 5901.34,3823.66 C24.1@5975,3823.66 ; v3@5882.07,3857.07 ccw(c5962.73,3937.73) C24.1@5962.73,3823.66 ; C22.1@5899.06,3258.43 C21.1@6005,3258.43 ; C22.1@5926.64,3280.5 ccw(c5979.94,3333.79) C21.1@5979.94,3258.43 ; C22.1@5940.06,3258.43 ccw(c5940.06,3333.79) C21.1@5993.36,3280.5 ; D3.2@5972.44,3191.79 ccw(c5920.54,3258.42) C21.1@6005,3258.42 ; U4.1@5989.06,3563.43 5989.06,3619.06 v3(5995,3625) ; U4.1@5989.06,3586.51 cw(c6033.49,3586.51) v3@6002.07,3617.93 ; D3.2@6005,3166.1 C21.1@6005,3258.43 ; C21.1@6016.64,3280.5 ccw(c6069.94,3333.79) 6069.94,3258.43 ; 6043.71,3258.43 cw(c6043.71,3128.01) U19.0@6135.94,3220.23 ; 6058.77,3258.43 ccw(c6058.77,3361.23) U19.0@6131.46,3288.54 ; 6077.74,3258.43 ccw(c6077.74,3340.72) U19.0@6135.94,3282.53 ; U19.1@6111.77,3149.02 U19.1@6111.77,3176.38 ; U19.1@6112.04,3176.65 ccw(c6068.69,3220) U19.0@6130,3220 ; 6117.76,3185.13 ccw(c6101.7,3210.15) U19.0@6130.21,3218.58 ; 6125.48,3190.09 cw(c6167.09,3148.49) U19.0@6167.09,3207.32 ; U19.0@6125.52,3236.78 cw(c6070.65,3217.5) U19.1@6111.77,3176.38 ; U19.0@6135,3225 ccw(c6135,3286.31) U19.0@6178.35,3242.96 ; U19.0@6139.71,3286.67 ccw(c6179.72,3300.89) U19.0@6179.72,3258.43 ; R82.2@6172.32,3754.96 cw(c6137.44,3720.08) 6186.77,3720.08 cw(c6236.1,3720.08) R82.2@6201.22,3754.96 ; v5(6186.77,3691.38) R82.2@6186.77,3769.41 ; U19.0@6235.25,3286.55 cw(c6186.77,3302.37) U19.0@6186.77,3251.38 ; U19.0@6235.34,3218.18 ccw(c6186.77,3199.25) U19.0@6186.77,3251.38 ; U19.0@6237.61,3220.23 cw(c6312.82,3145.02) 6312.82,3251.38 cw(c6312.82,3357.74) U19.0@6237.61,3282.53 ; U19.0@6243.54,3216.46 cw(c6327.82,3132.18) 6327.82,3251.38 ; U19.0@6243.54,3288.54 ccw(c6333.24,3378.24) 6333.24,3251.38 ; U19.0@6244.83,3286.29 ccw(c6267.49,3292.37) U19.0@6255.76,3272.05 ; U20.5@6261.77,2995.87 v2(6309.84,2995.87) ; 6266.69,3251.38 ccw(c6266.69,3367.88) C67.1@6349.07,3285.5 ; 6339.11,3251.38 ccw(c6339.11,3295.45) C67.1@6370.28,3264.29 ; C62.1@6348.64,3205.12 ccw(c6322.63,3227.23) 6346.77,3251.38 ; C67.1@6351.14,3264.29 ccw(c6382.3,3295.45) 6382.3,3251.38 ; C62.1@6360.71,3200.04 6360.71,3237.44 6346.77,3251.38 ; 6369.77,3228.38 cw(c6347.48,3206.1) C62.1@6371.49,3185.68 ; C67.1@6372.35,3285.5 ccw(c6454.73,3367.88) 6454.73,3251.38 ; 6401.76,3251.38 ccw(c6401.76,3378.24) U21.0@6491.46,3288.54 ; 6407.18,3251.38 cw(c6407.18,3132.18) U21.0@6491.46,3216.46 ; U21.1@6471.77,3149.02 U21.1@6471.77,3176.38 ; U21.1@6472.04,3176.65 ccw(c6428.69,3220) U21.0@6490,3220 ; 6477.76,3185.13 ccw(c6461.7,3210.15) U21.0@6490.21,3218.58 ; 6485.48,3190.09 cw(c6527.09,3148.49) U21.0@6527.09,3207.32 ; U21.0@6485.52,3236.78 cw(c6430.65,3217.5) U21.1@6471.77,3176.38 ; U21.0@6495,3225 ccw(c6495,3286.31) U21.0@6538.35,3242.96 ; U21.0@6495.94,3220.23 ccw(c6420.73,3145.02) 6420.73,3251.38 ccw(c6420.73,3357.74) U21.0@6495.94,3282.53 ; U21.0@6499.7,3218.31 cw(c6546.77,3201.35) U21.0@6546.77,3251.38 ; U21.0@6499.79,3286.42 ccw(c6546.77,3300.39) U21.0@6546.77,3251.38 ; R83.2@6532.32,3754.96 cw(c6497.44,3720.08) 6546.77,3720.08 cw(c6596.1,3720.08) R83.2@6561.22,3754.96 ; v5(6546.77,3691.38) R83.2@6546.77,3769.41 ; U21.0@6595.25,3286.55 cw(c6546.77,3302.37) U21.0@6546.77,3251.38 ; U21.0@6595.34,3218.18 ccw(c6546.77,3199.25) U21.0@6546.77,3251.38 ; U21.0@6597.61,3220.23 cw(c6672.82,3145.02) 6672.82,3251.38 cw(c6672.82,3357.74) U21.0@6597.61,3282.53 ; U21.0@6603.54,3216.46 cw(c6687.82,3132.18) 6687.82,3251.38 ; U21.0@6603.54,3288.54 ccw(c6693.24,3378.24) 6693.24,3251.38 ; U21.0@6604.83,3286.29 ccw(c6627.49,3292.37) U21.0@6615.76,3272.05 ; U22.5@6621.77,2995.87 v2(6669.84,2995.87) ; 6626.69,3251.38 ccw(c6626.69,3367.88) C69.1@6709.07,3285.5 ; 6699.11,3251.38 ccw(c6699.11,3295.45) C69.1@6730.28,3264.29 ; C69.1@6711.14,3264.29 ccw(c6742.3,3295.45) 6742.3,3251.38 ; C60.1@6720.71,3200.04 6720.71,3247.44 6716.77,3251.38 ; C69.1@6732.35,3285.5 ccw(c6814.73,3367.88) 6814.73,3251.38 ; 6761.76,3251.38 ccw(c6761.76,3378.24) U23.0@6851.46,3288.54 ; 6767.18,3251.38 cw(c6767.18,3132.18) U23.0@6851.46,3216.46 ; U23.1@6831.77,3149.02 U23.1@6831.77,3176.38 ; U23.1@6832.04,3176.65 ccw(c6788.69,3220) U23.0@6850,3220 ; 6837.76,3185.13 ccw(c6821.7,3210.15) U23.0@6850.21,3218.58 ; 6845.48,3190.09 cw(c6887.09,3148.49) U23.0@6887.09,3207.32 ; U23.0@6845.52,3236.78 cw(c6790.65,3217.5) U23.1@6831.77,3176.38 ; U23.0@6855,3225 ccw(c6855,3286.31) U23.0@6898.35,3242.96 ; U23.0@6855.94,3220.23 ccw(c6780.73,3145.02) 6780.73,3251.38 ccw(c6780.73,3357.74) U23.0@6855.94,3282.53 ; U23.0@6859.7,3218.31 cw(c6906.77,3201.35) U23.0@6906.77,3251.38 ; U23.0@6859.79,3286.42 ccw(c6906.77,3300.39) U23.0@6906.77,3251.38 ; R84.2@6892.32,3754.96 cw(c6857.44,3720.08) 6906.77,3720.08 cw(c6956.1,3720.08) R84.2@6921.22,3754.96 ; v5(6906.77,3691.38) R84.2@6906.77,3769.41 ; U23.0@6955.25,3286.55 cw(c6906.77,3302.37) U23.0@6906.77,3251.38 ; U23.0@6955.34,3218.18 ccw(c6906.77,3199.25) U23.0@6906.77,3251.38 ; U23.0@6957.61,3220.23 cw(c7032.82,3145.02) 7032.82,3251.38 cw(c7032.82,3357.74) U23.0@6957.61,3282.53 ; U23.0@6963.54,3216.46 cw(c7047.82,3132.18) 7047.82,3251.38 ; U23.0@6963.54,3288.54 ccw(c7053.24,3378.24) 7053.24,3251.38 ; U23.0@6964.83,3286.29 ccw(c6987.49,3292.37) U23.0@6975.76,3272.05 ; U24.5@6981.77,2995.87 v2(7029.84,2995.87) ; 6985.98,3251.38 ccw(c6985.98,3367.88) C70.1@7068.36,3285.5 ; 7058.41,3251.38 ccw(c7058.41,3295.45) C70.1@7089.57,3264.29 ; C70.1@7070.43,3264.29 ccw(c7101.59,3295.45) 7101.59,3251.38 ; C61.1@7080.71,3190.04 7080.71,3251.38 ; C70.1@7080.71,3269.96 7080.71,3251.38 ; C70.1@7091.64,3285.5 ccw(c7174.02,3367.88) 7174.02,3251.38 ; 7121.76,3251.38 ccw(c7121.76,3378.24) U25.0@7211.46,3288.54 ; 7127.18,3251.38 cw(c7127.18,3132.18) U25.0@7211.46,3216.46 ; U25.1@7188.58,3168.7 cw(c7238.2,3168.7) U25.0@7203.11,3203.78 ; U25.1@7189.1,3166.96 cw(c7206.16,3178.05) U25.0@7191.77,3192.44 ; U25.1@7191.77,3149.02 U25.0@7191.77,3192.44 ; U25.0@7215.94,3220.23 ccw(c7140.73,3145.02) 7140.73,3251.38 ccw(c7140.73,3357.74) U25.0@7215.94,3282.53 ; R85.2@7252.32,3754.96 cw(c7217.44,3720.08) 7266.77,3720.08 cw(c7316.1,3720.08) R85.2@7281.22,3754.96 ; v5(7266.77,3691.38) R85.2@7266.77,3769.41 ; U25.0@7315.25,3286.55 cw(c7266.77,3302.37) U25.0@7266.77,3251.38 ; U25.0@7315.34,3218.18 ccw(c7266.77,3199.25) U25.0@7266.77,3251.38 ; U25.0@7317.61,3220.23 cw(c7392.82,3145.02) 7392.82,3251.38 cw(c7392.82,3357.74) U25.0@7317.61,3282.53 ; U25.0@7323.54,3216.46 cw(c7407.82,3132.18) 7407.82,3251.38 ; U25.0@7323.57,3288.51 ccw(c7412.12,3375.55) 7412.12,3251.38 ; U25.0@7324.83,3286.29 ccw(c7347.49,3292.37) U25.0@7335.76,3272.05 ; U25.0@7335.98,3251.38 ccw(c7335.98,3367.88) C68.1@7418.36,3285.5 ; U26.5@7341.77,2995.87 v2(7389.84,2995.87) ; 7408.41,3251.38 ccw(c7408.41,3295.45) C68.1@7439.57,3264.29 ; C68.1@7416.76,3276.74 cw(c7396.1,3267.41) 7412.13,3251.38 ; C59.1@7430.71,3190.04 7430.71,3269.96 7412.13,3251.38 ; C21.1@6005,3258.43 U19.0@6179.72,3258.43 ; U19.1@6111.77,3176.38 U19.0@6186.77,3251.38 ; U19.0@6179.72,3258.43 U19.0@6186.77,3251.38 ; U19.0@6186.77,3251.38 6346.77,3251.38 ; 6346.77,3251.38 U21.0@6546.77,3251.38 ; U21.1@6471.77,3176.38 U21.0@6546.77,3251.38 ; U21.0@6546.77,3251.38 6716.77,3251.38 ; 6716.77,3251.38 U23.0@6906.77,3251.38 ; U23.1@6831.77,3176.38 U23.0@6906.77,3251.38 ; U23.0@6906.77,3251.38 7080.71,3251.38 ; 7080.71,3251.38 U25.0@7250.71,3251.38 ; U25.0@7191.77,3192.44 U25.0@7250.71,3251.38 ; U25.0@7250.71,3251.38 U25.0@7266.77,3251.38 ; U25.0@7266.77,3251.38 7412.13,3251.38